# KiCad board panel_0.kicad_pcb (continued)
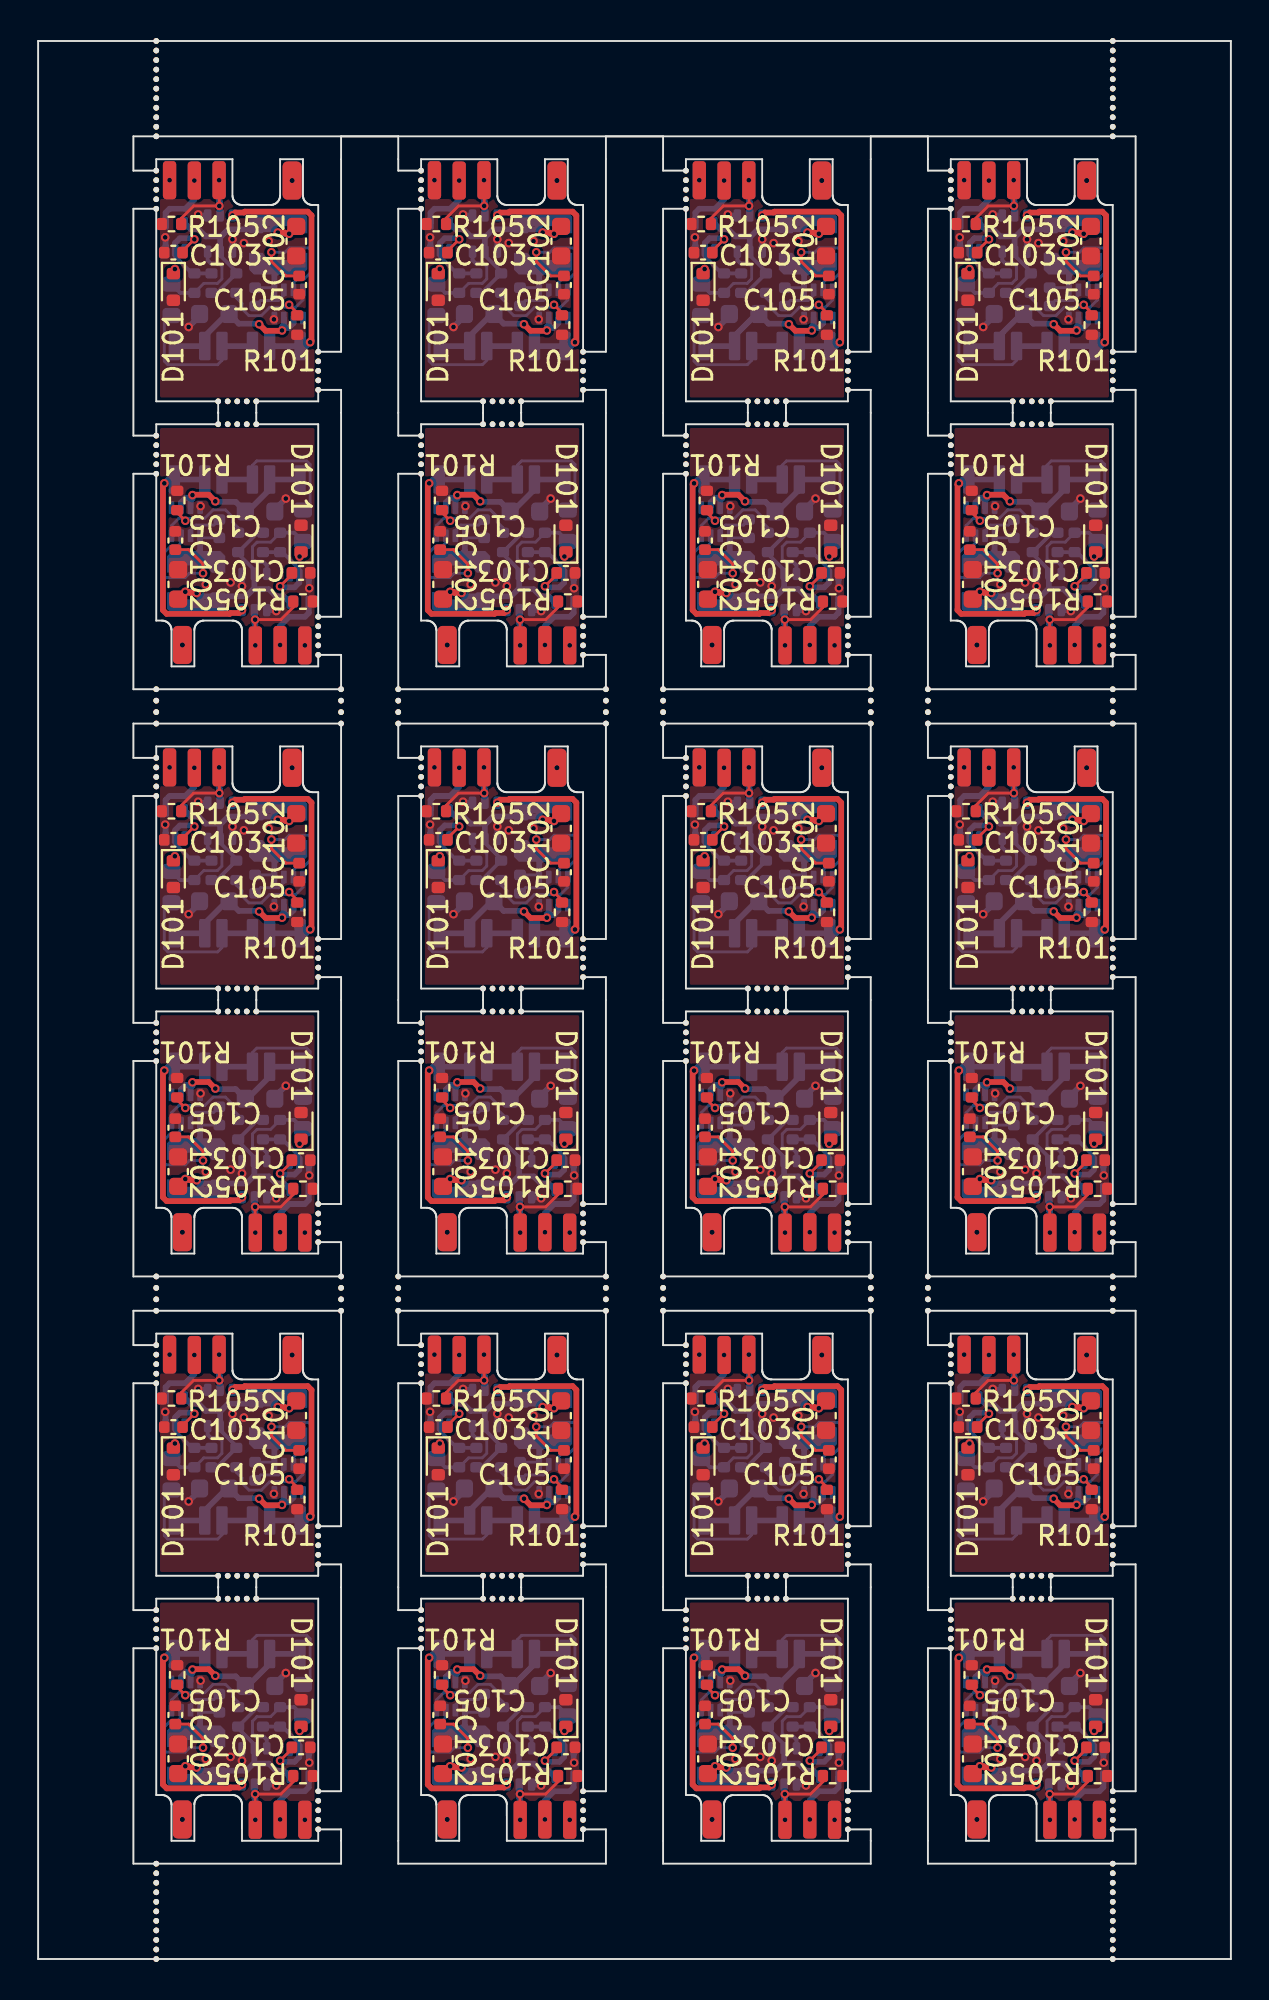
[diagram p0: board, top side]
## Placement (name value [footprint] x y rotation side) (continued)
R101#21  R_15K_0402_0W063_1%_100PPM_50V  [R_0402_1005Metric]  55.3 85.7 270 top
R101#22  R_15K_0402_0W063_1%_100PPM_50V  [R_0402_1005Metric]  49 14.9 90 top
R101#23  R_15K_0402_0W063_1%_100PPM_50V  [R_0402_1005Metric]  35.1 45.7 90 top
R101#24  R_15K_0402_0W063_1%_100PPM_50V  [R_0402_1005Metric]  41.4 85.7 270 top
R102  R_10K0_0402_0W063_1%_100PPM_50V  [R_0402_1005Metric]  22.1 87.9 90 bottom
R102#2  R_10K0_0402_0W063_1%_100PPM_50V  [R_0402_1005Metric]  12.7 12.7 270 bottom
R102#3  R_10K0_0402_0W063_1%_100PPM_50V  [R_0402_1005Metric]  8.2 26.3 90 bottom
R102#4  R_10K0_0402_0W063_1%_100PPM_50V  [R_0402_1005Metric]  54.4 74.3 270 bottom
R102#5  R_10K0_0402_0W063_1%_100PPM_50V  [R_0402_1005Metric]  22.1 57.1 90 bottom
R102#6  R_10K0_0402_0W063_1%_100PPM_50V  [R_0402_1005Metric]  12.7 43.5 270 bottom
R102#7  R_10K0_0402_0W063_1%_100PPM_50V  [R_0402_1005Metric]  54.4 12.7 270 bottom
R102#8  R_10K0_0402_0W063_1%_100PPM_50V  [R_0402_1005Metric]  26.6 74.3 270 bottom
R102#9  R_10K0_0402_0W063_1%_100PPM_50V  [R_0402_1005Metric]  40.5 12.7 270 bottom
R102#10  R_10K0_0402_0W063_1%_100PPM_50V  [R_0402_1005Metric]  36 57.1 90 bottom
R102#11  R_10K0_0402_0W063_1%_100PPM_50V  [R_0402_1005Metric]  8.2 57.1 90 bottom
R102#12  R_10K0_0402_0W063_1%_100PPM_50V  [R_0402_1005Metric]  49.9 87.9 90 bottom
R102#13  R_10K0_0402_0W063_1%_100PPM_50V  [R_0402_1005Metric]  8.2 87.9 90 bottom
R102#14  R_10K0_0402_0W063_1%_100PPM_50V  [R_0402_1005Metric]  54.4 43.5 270 bottom
R102#15  R_10K0_0402_0W063_1%_100PPM_50V  [R_0402_1005Metric]  22.1 26.3 90 bottom
R102#16  R_10K0_0402_0W063_1%_100PPM_50V  [R_0402_1005Metric]  26.6 12.7 270 bottom
R102#17  R_10K0_0402_0W063_1%_100PPM_50V  [R_0402_1005Metric]  49.9 57.1 90 bottom
R102#18  R_10K0_0402_0W063_1%_100PPM_50V  [R_0402_1005Metric]  12.7 74.3 270 bottom
R102#19  R_10K0_0402_0W063_1%_100PPM_50V  [R_0402_1005Metric]  40.5 43.5 270 bottom
R102#20  R_10K0_0402_0W063_1%_100PPM_50V  [R_0402_1005Metric]  49.9 26.3 90 bottom
R102#21  R_10K0_0402_0W063_1%_100PPM_50V  [R_0402_1005Metric]  40.5 74.3 270 bottom
R102#22  R_10K0_0402_0W063_1%_100PPM_50V  [R_0402_1005Metric]  36 87.9 90 bottom
R102#23  R_10K0_0402_0W063_1%_100PPM_50V  [R_0402_1005Metric]  26.6 43.5 270 bottom
R102#24  R_10K0_0402_0W063_1%_100PPM_50V  [R_0402_1005Metric]  36 26.3 90 bottom
R103  100R  [R_0603_1608Metric]  55.6 44.38 270 bottom
R103#2  100R  [R_0603_1608Metric]  7 56.22 90 bottom
R103#3  100R  [R_0603_1608Metric]  55.6 13.57 270 bottom
R103#4  100R  [R_0603_1608Metric]  13.9 44.38 270 bottom
R103#5  100R  [R_0603_1608Metric]  41.7 13.57 270 bottom
R103#6  100R  [R_0603_1608Metric]  27.8 13.57 270 bottom
R103#7  100R  [R_0603_1608Metric]  27.8 75.17 270 bottom
R103#8  100R  [R_0603_1608Metric]  13.9 75.17 270 bottom
R103#9  100R  [R_0603_1608Metric]  34.8 56.22 90 bottom
R103#10  100R  [R_0603_1608Metric]  7 25.42 90 bottom
R103#11  100R  [R_0603_1608Metric]  13.9 13.57 270 bottom
R103#12  100R  [R_0603_1608Metric]  41.7 44.38 270 bottom
R103#13  100R  [R_0603_1608Metric]  48.7 87.02 90 bottom
R103#14  100R  [R_0603_1608Metric]  34.8 87.02 90 bottom
R103#15  100R  [R_0603_1608Metric]  20.9 56.22 90 bottom
R103#16  100R  [R_0603_1608Metric]  48.7 56.22 90 bottom
R103#17  100R  [R_0603_1608Metric]  20.9 87.02 90 bottom
R103#18  100R  [R_0603_1608Metric]  41.7 75.17 270 bottom
R103#19  100R  [R_0603_1608Metric]  48.7 25.42 90 bottom
R103#20  100R  [R_0603_1608Metric]  20.9 25.42 90 bottom
R103#21  100R  [R_0603_1608Metric]  27.8 44.38 270 bottom
R103#22  100R  [R_0603_1608Metric]  7 87.02 90 bottom
R103#23  100R  [R_0603_1608Metric]  55.6 75.17 270 bottom
R103#24  100R  [R_0603_1608Metric]  34.8 25.42 90 bottom
R104  R_47K_0402_0W063_1%_100PPM_50V  [R_0402_1005Metric]  38.2 26.3 270 bottom
R104#2  R_47K_0402_0W063_1%_100PPM_50V  [R_0402_1005Metric]  24.4 43.5 90 bottom
R104#3  R_47K_0402_0W063_1%_100PPM_50V  [R_0402_1005Metric]  24.3 57.1 270 bottom
R104#4  R_47K_0402_0W063_1%_100PPM_50V  [R_0402_1005Metric]  10.5 74.3 90 bottom
R104#5  R_47K_0402_0W063_1%_100PPM_50V  [R_0402_1005Metric]  38.2 57.1 270 bottom
R104#6  R_47K_0402_0W063_1%_100PPM_50V  [R_0402_1005Metric]  52.1 26.3 270 bottom
R104#7  R_47K_0402_0W063_1%_100PPM_50V  [R_0402_1005Metric]  10.4 26.3 270 bottom
R104#8  R_47K_0402_0W063_1%_100PPM_50V  [R_0402_1005Metric]  38.3 12.7 90 bottom
R104#9  R_47K_0402_0W063_1%_100PPM_50V  [R_0402_1005Metric]  38.2 87.9 270 bottom
R104#10  R_47K_0402_0W063_1%_100PPM_50V  [R_0402_1005Metric]  52.2 74.3 90 bottom
R104#11  R_47K_0402_0W063_1%_100PPM_50V  [R_0402_1005Metric]  10.4 57.1 270 bottom
R104#12  R_47K_0402_0W063_1%_100PPM_50V  [R_0402_1005Metric]  52.2 12.7 90 bottom
R104#13  R_47K_0402_0W063_1%_100PPM_50V  [R_0402_1005Metric]  24.4 12.7 90 bottom
R104#14  R_47K_0402_0W063_1%_100PPM_50V  [R_0402_1005Metric]  52.1 87.9 270 bottom
R104#15  R_47K_0402_0W063_1%_100PPM_50V  [R_0402_1005Metric]  24.4 74.3 90 bottom
R104#16  R_47K_0402_0W063_1%_100PPM_50V  [R_0402_1005Metric]  10.4 87.9 270 bottom
R104#17  R_47K_0402_0W063_1%_100PPM_50V  [R_0402_1005Metric]  52.1 57.1 270 bottom
R104#18  R_47K_0402_0W063_1%_100PPM_50V  [R_0402_1005Metric]  38.3 74.3 90 bottom
R104#19  R_47K_0402_0W063_1%_100PPM_50V  [R_0402_1005Metric]  24.3 26.3 270 bottom
R104#20  R_47K_0402_0W063_1%_100PPM_50V  [R_0402_1005Metric]  38.3 43.5 90 bottom
R104#21  R_47K_0402_0W063_1%_100PPM_50V  [R_0402_1005Metric]  10.5 43.5 90 bottom
R104#22  R_47K_0402_0W063_1%_100PPM_50V  [R_0402_1005Metric]  24.3 87.9 270 bottom
R104#23  R_47K_0402_0W063_1%_100PPM_50V  [R_0402_1005Metric]  10.5 12.7 90 bottom
R104#24  R_47K_0402_0W063_1%_100PPM_50V  [R_0402_1005Metric]  52.2 43.5 90 bottom
R105  R_47K_0402_0W063_1%_100PPM_50V  [R_0402_1005Metric]  34.8 91 180 top
R105#2  R_47K_0402_0W063_1%_100PPM_50V  [R_0402_1005Metric]  34.8 29.4 180 top
R105#3  R_47K_0402_0W063_1%_100PPM_50V  [R_0402_1005Metric]  34.8 60.2 180 top
R105#4  R_47K_0402_0W063_1%_100PPM_50V  [R_0402_1005Metric]  27.8 9.6 0 top
R105#5  R_47K_0402_0W063_1%_100PPM_50V  [R_0402_1005Metric]  13.9 71.2 0 top
R105#6  R_47K_0402_0W063_1%_100PPM_50V  [R_0402_1005Metric]  55.6 9.6 0 top
R105#7  R_47K_0402_0W063_1%_100PPM_50V  [R_0402_1005Metric]  55.6 40.4 0 top
R105#8  R_47K_0402_0W063_1%_100PPM_50V  [R_0402_1005Metric]  27.8 40.4 0 top
R105#9  R_47K_0402_0W063_1%_100PPM_50V  [R_0402_1005Metric]  7 91 180 top
R105#10  R_47K_0402_0W063_1%_100PPM_50V  [R_0402_1005Metric]  41.7 40.4 0 top
R105#11  R_47K_0402_0W063_1%_100PPM_50V  [R_0402_1005Metric]  7 60.2 180 top
R105#12  R_47K_0402_0W063_1%_100PPM_50V  [R_0402_1005Metric]  7 29.4 180 top
R105#13  R_47K_0402_0W063_1%_100PPM_50V  [R_0402_1005Metric]  48.7 29.4 180 top
R105#14  R_47K_0402_0W063_1%_100PPM_50V  [R_0402_1005Metric]  13.9 40.4 0 top
R105#15  R_47K_0402_0W063_1%_100PPM_50V  [R_0402_1005Metric]  41.7 71.2 0 top
R105#16  R_47K_0402_0W063_1%_100PPM_50V  [R_0402_1005Metric]  48.7 91 180 top
R105#17  R_47K_0402_0W063_1%_100PPM_50V  [R_0402_1005Metric]  20.9 60.2 180 top
R105#18  R_47K_0402_0W063_1%_100PPM_50V  [R_0402_1005Metric]  13.9 9.6 0 top
R105#19  R_47K_0402_0W063_1%_100PPM_50V  [R_0402_1005Metric]  20.9 91 180 top
R105#20  R_47K_0402_0W063_1%_100PPM_50V  [R_0402_1005Metric]  41.7 9.6 0 top
R105#21  R_47K_0402_0W063_1%_100PPM_50V  [R_0402_1005Metric]  55.6 71.2 0 top
R105#22  R_47K_0402_0W063_1%_100PPM_50V  [R_0402_1005Metric]  27.8 71.2 0 top
R105#23  R_47K_0402_0W063_1%_100PPM_50V  [R_0402_1005Metric]  48.7 60.2 180 top
R105#24  R_47K_0402_0W063_1%_100PPM_50V  [R_0402_1005Metric]  20.9 29.4 180 top
R106  R_47K_0402_0W063_1%_100PPM_50V  [R_0402_1005Metric]  36.9 87.9 90 bottom
R106#2  R_47K_0402_0W063_1%_100PPM_50V  [R_0402_1005Metric]  39.6 74.3 270 bottom
R106#3  R_47K_0402_0W063_1%_100PPM_50V  [R_0402_1005Metric]  25.7 74.3 270 bottom
R106#4  R_47K_0402_0W063_1%_100PPM_50V  [R_0402_1005Metric]  36.9 26.3 90 bottom
R106#5  R_47K_0402_0W063_1%_100PPM_50V  [R_0402_1005Metric]  50.8 87.9 90 bottom
R106#6  R_47K_0402_0W063_1%_100PPM_50V  [R_0402_1005Metric]  9.1 57.1 90 bottom
R106#7  R_47K_0402_0W063_1%_100PPM_50V  [R_0402_1005Metric]  11.8 43.5 270 bottom
R106#8  R_47K_0402_0W063_1%_100PPM_50V  [R_0402_1005Metric]  25.7 12.7 270 bottom
R106#9  R_47K_0402_0W063_1%_100PPM_50V  [R_0402_1005Metric]  50.8 26.3 90 bottom
R106#10  R_47K_0402_0W063_1%_100PPM_50V  [R_0402_1005Metric]  39.6 43.5 270 bottom
R106#11  R_47K_0402_0W063_1%_100PPM_50V  [R_0402_1005Metric]  39.6 12.7 270 bottom
R106#12  R_47K_0402_0W063_1%_100PPM_50V  [R_0402_1005Metric]  9.1 87.9 90 bottom
R106#13  R_47K_0402_0W063_1%_100PPM_50V  [R_0402_1005Metric]  36.9 57.1 90 bottom
R106#14  R_47K_0402_0W063_1%_100PPM_50V  [R_0402_1005Metric]  9.1 26.3 90 bottom
R106#15  R_47K_0402_0W063_1%_100PPM_50V  [R_0402_1005Metric]  23 57.1 90 bottom
R106#16  R_47K_0402_0W063_1%_100PPM_50V  [R_0402_1005Metric]  23 87.9 90 bottom
R106#17  R_47K_0402_0W063_1%_100PPM_50V  [R_0402_1005Metric]  11.8 12.7 270 bottom
R106#18  R_47K_0402_0W063_1%_100PPM_50V  [R_0402_1005Metric]  53.5 43.5 270 bottom
R106#19  R_47K_0402_0W063_1%_100PPM_50V  [R_0402_1005Metric]  23 26.3 90 bottom
R106#20  R_47K_0402_0W063_1%_100PPM_50V  [R_0402_1005Metric]  53.5 74.3 270 bottom
R106#21  R_47K_0402_0W063_1%_100PPM_50V  [R_0402_1005Metric]  50.8 57.1 90 bottom
R106#22  R_47K_0402_0W063_1%_100PPM_50V  [R_0402_1005Metric]  25.7 43.5 270 bottom
R106#23  R_47K_0402_0W063_1%_100PPM_50V  [R_0402_1005Metric]  53.5 12.7 270 bottom
R106#24  R_47K_0402_0W063_1%_100PPM_50V  [R_0402_1005Metric]  11.8 74.3 270 bottom
U102  SN74LVC1G14DRL  [SOT-553]  55.41 10.27 270 bottom
U102#2  SN74LVC1G14DRL  [SOT-553]  41.51 71.87 270 bottom
U102#3  SN74LVC1G14DRL  [SOT-553]  13.71 41.07 270 bottom
U102#4  SN74LVC1G14DRL  [SOT-553]  48.89 59.53 90 bottom
U102#5  SN74LVC1G14DRL  [SOT-553]  13.71 71.87 270 bottom
U102#6  SN74LVC1G14DRL  [SOT-553]  13.71 10.27 270 bottom
U102#7  SN74LVC1G14DRL  [SOT-553]  41.51 41.07 270 bottom
U102#8  SN74LVC1G14DRL  [SOT-553]  7.19 90.33 90 bottom
U102#9  SN74LVC1G14DRL  [SOT-553]  27.61 71.87 270 bottom
U102#10  SN74LVC1G14DRL  [SOT-553]  48.89 90.33 90 bottom
U102#11  SN74LVC1G14DRL  [SOT-553]  34.99 59.53 90 bottom
U102#12  SN74LVC1G14DRL  [SOT-553]  55.41 41.07 270 bottom
U102#13  SN74LVC1G14DRL  [SOT-553]  27.61 10.27 270 bottom
U102#14  SN74LVC1G14DRL  [SOT-553]  21.09 59.53 90 bottom
U102#15  SN74LVC1G14DRL  [SOT-553]  55.41 71.87 270 bottom
U102#16  SN74LVC1G14DRL  [SOT-553]  21.09 28.73 90 bottom
U102#17  SN74LVC1G14DRL  [SOT-553]  27.61 41.07 270 bottom
U102#18  SN74LVC1G14DRL  [SOT-553]  41.51 10.27 270 bottom
U102#19  SN74LVC1G14DRL  [SOT-553]  48.89 28.73 90 bottom
U102#20  SN74LVC1G14DRL  [SOT-553]  7.19 59.53 90 bottom
U102#21  SN74LVC1G14DRL  [SOT-553]  34.99 28.73 90 bottom
U102#22  SN74LVC1G14DRL  [SOT-553]  7.19 28.73 90 bottom
U102#23  SN74LVC1G14DRL  [SOT-553]  21.09 90.33 90 bottom
U102#24  SN74LVC1G14DRL  [SOT-553]  34.99 90.33 90 bottom
U103  TPS62933DRLR  [SOT-583-8]  21.65 44.59 270 bottom
U103#2  TPS62933DRLR  [SOT-583-8]  7.75 13.79 270 bottom
U103#3  TPS62933DRLR  [SOT-583-8]  49.45 13.79 270 bottom
U103#4  TPS62933DRLR  [SOT-583-8]  27.05 86.81 90 bottom
U103#5  TPS62933DRLR  [SOT-583-8]  21.65 75.39 270 bottom
U103#6  TPS62933DRLR  [SOT-583-8]  54.85 86.81 90 bottom
U103#7  TPS62933DRLR  [SOT-583-8]  27.05 25.21 90 bottom
U103#8  TPS62933DRLR  [SOT-583-8]  13.15 56.01 90 bottom
U103#9  TPS62933DRLR  [SOT-583-8]  35.55 44.59 270 bottom
U103#10  TPS62933DRLR  [SOT-583-8]  54.85 56.01 90 bottom
U103#11  TPS62933DRLR  [SOT-583-8]  40.95 56.01 90 bottom
U103#12  TPS62933DRLR  [SOT-583-8]  7.75 44.59 270 bottom
U103#13  TPS62933DRLR  [SOT-583-8]  27.05 56.01 90 bottom
U103#14  TPS62933DRLR  [SOT-583-8]  54.85 25.21 90 bottom
U103#15  TPS62933DRLR  [SOT-583-8]  35.55 75.39 270 bottom
U103#16  TPS62933DRLR  [SOT-583-8]  49.45 75.39 270 bottom
U103#17  TPS62933DRLR  [SOT-583-8]  13.15 86.81 90 bottom
U103#18  TPS62933DRLR  [SOT-583-8]  21.65 13.79 270 bottom
U103#19  TPS62933DRLR  [SOT-583-8]  13.15 25.21 90 bottom
U103#20  TPS62933DRLR  [SOT-583-8]  35.55 13.79 270 bottom
U103#21  TPS62933DRLR  [SOT-583-8]  40.95 25.21 90 bottom
U103#22  TPS62933DRLR  [SOT-583-8]  7.75 75.39 270 bottom
U103#23  TPS62933DRLR  [SOT-583-8]  49.45 44.59 270 bottom
U103#24  TPS62933DRLR  [SOT-583-8]  40.95 86.81 90 bottom

## Library data of the parts
C101 C101#2-C101#24 = -: Description: Unpolarized capacitor; OC_JLCPCB: C15849
C102 C102#2-C102#24 = -: Description: Unpolarized capacitor; OC_JLCPCB: C19702
C103 C103#2-C103#24 = -: Description: Capacitor xxxE 0000 XXXX 00% 000V; Capacitance: 15p; Case: 0402; Dielectric: NP0; Tolerance: 5%; Voltage: 50V; ID: 50000069; TARGET_LIB: 900_capacitors; SRC_LIB: /home/markus/projekte/900_library/kicad/generator_v2/capacitors_template.kicad_sym; SRC_PART: C_xxxE_0000_XXXX_00%_000V; kicadlibid: 69; MC_Generic: GRT1555C1H150FA2D; OC_MOUSER: 81-GRT1555C1H150FA2D; OC_JLCPCB: C1548
C104 C104#2-C104#24 C105 C105#2-C105#24 = -: Description: Capacitor xxxE 0000 XXXX 00% 000V; Capacitance: 100n; Case: 0402; Dielectric: X7R; Tolerance: 10%; Voltage: 50V; ID: 50000068; TARGET_LIB: 900_capacitors; SRC_LIB: /home/markus/projekte/900_library/kicad/generator_v2/capacitors_template.kicad_sym; SRC_PART: C_xxxE_0000_XXXX_00%_000V; kicadlibid: 68; MC_Generic: GRM155R71H104KE4J; OC_MOUSER: 81-GRM155R71H104KE4J; OC_JLCPCB: C307331
D101 D101#2-D101#24 = -: Datasheet: https://www.onsemi.com/pdf/datasheet/esd5z2.5t1-d.pdf; Description: ESD Protection Diode, SOD-523; OC_JLCPCB: C3008120
H101 H101#2-H101#24 H102 H102#2-H102#24 H103 H103#2-H103#24 = -: Description: Mounting Hole with connection; OC_JLCPCB: C5334114
H104 H104#2-H104#24 H105 H105#2-H105#24 H106 H106#2-H106#24 H107 H107#2-H107#24 H108 H108#2-H108#24 H109 H109#2-H109#24 H110 H110#2-H110#24 H111 H111#2-H111#24 = -: Description: Mounting Hole with connection
L101 L101#2-L101#24 = -: Description: Inductor; OC_JLCPCB: C5832372
Q102 Q102#2-Q102#24 = -: Datasheet: https://jlcpcb.com/api/file/downloadByFileSystemAccessId/8609108054277169152; Description: 1.2A Id, 20V Vds, Dual N-Channel MOSFET, 175mOhm Ron, SC-70-6; OC_JLCPCB: C693215
R101 R101#2-R101#24 = -: Description: Resistor 000R 0000 0W00 0% 000pm 000V; Resistance: 15K; Case: 0402; Power: 0W063; Tolerance: 1%; TempKoeff: 100PPM; Voltage: 50V; ID: 50000013; TARGET_LIB: 900_resistors; SRC_LIB: /home/markus/projekte/900_library/kicad/generator_v2/resistors_template.kicad_sym; SRC_PART: R_000R_0000_0W00_0%_000pm_000V; kicadlibid: 13; MC_Generic: RC0402FR-0715KL; OC_MOUSER: 603-RC0402FR-0715KL; OC_JLCPCB: C25756
R102 R102#2-R102#24 = -: Description: Resistor 000R 0000 0W00 0% 000pm 000V; Resistance: 10K0; Case: 0402; Power: 0W063; Tolerance: 1%; TempKoeff: 100PPM; Voltage: 50V; ID: 50000005; TARGET_LIB: 900_resistors; SRC_LIB: /home/markus/projekte/900_library/kicad/generator_v2/resistors_template.kicad_sym; SRC_PART: R_000R_0000_0W00_0%_000pm_000V; kicadlibid: 5; MC_Generic: RC0402FR-0710KL; OC_MOUSER: 603-RC0402FR-0710KL; OC_JLCPCB: C25744
R103 R103#2-R103#24 = -: Description: Resistor; OC_JLCPCB: C22775
R104 R104#2-R104#24 R105 R105#2-R105#24 R106 R106#2-R106#24 = -: Description: Resistor 000R 0000 0W00 0% 000pm 000V; Resistance: 47K; Case: 0402; Power: 0W063; Tolerance: 1%; TempKoeff: 100PPM; Voltage: 50V; ID: 50000047; TARGET_LIB: 900_resistors; SRC_LIB: /home/markus/projekte/900_library/kicad/generator_v2/resistors_template.kicad_sym; SRC_PART: R_000R_0000_0W00_0%_000pm_000V; kicadlibid: 47; MC_Generic: RC0402FR-0747KL; OC_MOUSER: 603-RC0402FR-0747KL; OC_JLCPCB: C25792
U102 U102#2-U102#24 = -: Datasheet: https://www.ti.com/lit/ds/symlink/sn74lvc1g14.pdf; Description: Single Schmitt NOT Gate, Low-Voltage CMOS, SOT-553; OC_JLCPCB: C19829622
U103 U103#2-U103#24 = -: Datasheet: https://www.ti.com/lit/ds/symlink/tps62933.pdf; Description: 3.8-30V, 3A Synchronous Buck Converters with forced continuous conduction mode (FCCM), SOT583-8; OC_JLCPCB: C3200405

## Footprints (pads in the part's own frame, mm; a bottom-side part is the same pattern mirrored in y, then rotated)
C_0402_1005Metric
  rrect 0.56x0.62 smd: 1(-0.48,0) 2(0.48,0)
C_0603_1608Metric
  rrect 0.9x0.95 smd: 1(-0.775,0) 2(0.775,0)
D_SOD-523
  rrect 0.6x0.7 smd: 1(-0.7,0) 2(0.7,0)
L_Coilcraft_LPS3010
  custom 1.14x3.05 smd: 1(-1.27,0) 2(1.27,0)
NPTH
  round 0.3 hole 0.3 unplated: (0,0)
R_0402_1005Metric
  rrect 0.54x0.64 smd: 1(-0.51,0) 2(0.51,0)
R_0603_1608Metric
  rrect 0.8x0.95 smd: 1(-0.825,0) 2(0.825,0)
SolderWirePad_1x01_SMD_1.5x3mm
  rrect 0.7x2 smd: 1(0,0)
SolderWirePad_1x01_SMD_1.5x3mm#2
  rrect 1x2 smd: 1(0,0)
SOT-363_SC-70-6
  rrect 0.65x0.4 smd: 1(-0.95,0.65) 2(-0.95,0) 3(-0.95,-0.65) 4(0.95,-0.65) 5(0.95,0) 6(0.95,0.65)
SOT-553
  rrect 0.675x0.35 smd: 1(-0.713,0.5) 2(-0.713,0) 3(-0.713,-0.5) 4(0.713,-0.5) 5(0.713,0.5)
SOT-583-8
  rrect 0.67x0.3 smd: 1(-0.74,0.75) 2(-0.74,0.25) 3(-0.74,-0.25) 4(-0.74,-0.75) 5(0.74,-0.75) 6(0.74,-0.25) 7(0.74,0.25) 8(0.74,0.75)
TE_2040852-1
  rrect 1.5x0.6 smd: 1(0.95,-0.8) 1(0.95,0.8)

## Nets
Board_0-+3V3: C102#16.1 H106#8.1 H108#8.1 L101#16.2 Q102#5.2 R104#16.1 R106#12.1 U102#8.5
Board_0-/BST: C104#11.1 U103#17.6
Board_0-/DBUS: H102#3.1 R103#22.1
Board_0-/DBUS_R: D101#23.1 Q102#5.3 R102#13.1 R103#22.2
Board_0-/FB: R101#10.1 R104#16.2 U103#17.8
Board_0-/IN: C103#16.1 R102#13.2 R106#12.2 U102#8.2
Board_0-/IO4: H104#8.1 H110#10.1 Q102#5.5 R105#9.1
Board_0-/IO5: H105#6.1 H109#21.1 U102#8.4
Board_0-/SW: C104#11.2 L101#16.1 U103#17.5
Board_0-/V+: C101#12.1 H101#8.1 U103#17.2 U103#17.3
Board_0-/V-: H103#22.1 Q102#5.6
Board_0-GND: C101#12.2 C102#16.2 C103#16.2 C105#18.2 D101#23.2 H107#18.1 H111#7.1 Q102#5.1 Q102#5.4 R101#10.2 R105#9.2 U102#8.3 U103#17.4
Board_0-Net-(U103-SS): C105#18.1 U103#17.7
Board_0-unconnected-(U102-NC-Pad1): U102#8.1
Board_0-unconnected-(U103-RT-Pad1): U103#17.1
Board_1-+3V3: C102#12.1 H106#20.1 H108#19.1 L101#19.2 Q102#24.2 R104#22.1 R106#16.1 U102#23.5
Board_1-/BST: C104#15.1 U103#4.6
Board_1-/DBUS: H102#17.1 R103#17.1
Board_1-/DBUS_R: D101#19.1 Q102#24.3 R102.1 R103#17.2
Board_1-/FB: R101#13.1 R104#22.2 U103#4.8
Board_1-/IN: C103#4.1 R102.2 R106#16.2 U102#23.2
Board_1-/IO4: H104#20.1 H110#6.1 Q102#24.5 R105#19.1
Board_1-/IO5: H105#8.1 H109#7.1 U102#23.4
Board_1-/SW: C104#15.2 L101#19.1 U103#4.5
Board_1-/V+: C101#11.1 H101#20.1 U103#4.2 U103#4.3
Board_1-/V-: H103#21.1 Q102#24.6
Board_1-GND: C101#11.2 C102#12.2 C103#4.2 C105#4.2 D101#19.2 H107#19.1 H111#6.1 Q102#24.1 Q102#24.4 R101#13.2 R105#19.2 U102#23.3 U103#4.4
Board_1-Net-(U103-SS): C105#4.1 U103#4.7
Board_1-unconnected-(U102-NC-Pad1): U102#23.1
Board_1-unconnected-(U103-RT-Pad1): U103#4.1
Board_2-+3V3: C102#10.1 H106#10.1 H108#24.1 L101#11.2 Q102#10.2 R104#9.1 R106.1 U102#24.5
Board_2-/BST: C104#9.1 U103#24.6
Board_2-/DBUS: H102#22.1 R103#14.1
Board_2-/DBUS_R: D101#3.1 Q102#10.3 R102#22.1 R103#14.2
Board_2-/FB: R101#24.1 R104#9.2 U103#24.8
Board_2-/IN: C103#21.1 R102#22.2 R106.2 U102#24.2
Board_2-/IO4: H104#6.1 H110#22.1 Q102#10.5 R105.1
Board_2-/IO5: H105#15.1 H109#13.1 U102#24.4
Board_2-/SW: C104#9.2 L101#11.1 U103#24.5
Board_2-/V+: C101#9.1 H101.1 U103#24.2 U103#24.3
Board_2-/V-: H103#10.1 Q102#10.6
Board_2-GND: C101#9.2 C102#10.2 C103#21.2 C105#19.2 D101#3.2 H107#8.1 H111#18.1 Q102#10.1 Q102#10.4 R101#24.2 R105.2 U102#24.3 U103#24.4
Board_2-Net-(U103-SS): C105#19.1 U103#24.7
Board_2-unconnected-(U102-NC-Pad1): U102#24.1
Board_2-unconnected-(U103-RT-Pad1): U103#24.1
Board_3-+3V3: C102#21.1 H106#18.1 H108#12.1 L101#13.2 Q102#8.2 R104#14.1 R106#5.1 U102#10.5
Board_3-/BST: C104#24.1 U103#6.6
Board_3-/DBUS: H102#8.1 R103#13.1
Board_3-/DBUS_R: D101.1 Q102#8.3 R102#12.1 R103#13.2
Board_3-/FB: R101#21.1 R104#14.2 U103#6.8
Board_3-/IN: C103#18.1 R102#12.2 R106#5.2 U102#10.2
Board_3-/IO4: H104#23.1 H110#8.1 Q102#8.5 R105#16.1
Board_3-/IO5: H105#10.1 H109#3.1 U102#10.4
Board_3-/SW: C104#24.2 L101#13.1 U103#6.5
Board_3-/V+: C101#4.1 H101#14.1 U103#6.2 U103#6.3
Board_3-/V-: H103#24.1 Q102#8.6
Board_3-GND: C101#4.2 C102#21.2 C103#18.2 C105.2 D101.2 H107.1 H111#24.1 Q102#8.1 Q102#8.4 R101#21.2 R105#16.2 U102#10.3 U103#6.4
Board_3-Net-(U103-SS): C105.1 U103#6.7
Board_3-unconnected-(U102-NC-Pad1): U102#10.1
Board_3-unconnected-(U103-RT-Pad1): U103#6.1
Board_4-+3V3: C102#5.1 H106#16.1 H108#4.1 L101#22.2 Q102#17.2 R104#4.1 R106#24.1 U102#5.5
Board_4-/BST: C104#3.1 U103#22.6
Board_4-/DBUS: H102#15.1 R103#8.1
Board_4-/DBUS_R: D101#22.1 Q102#17.3 R102#18.1 R103#8.2
Board_4-/FB: R101#2.1 R104#4.2 U103#22.8
Board_4-/IN: C103#11.1 R102#18.2 R106#24.2 U102#5.2
Board_4-/IO4: H104#10.1 H110#23.1 Q102#17.5 R105#5.1
Board_4-/IO5: H105#12.1 H109#15.1 U102#5.4
Board_4-/SW: C104#3.2 L101#22.1 U103#22.5
Board_4-/V+: C101#8.1 H101#9.1 U103#22.2 U103#22.3
Board_4-/V-: H103.1 Q102#17.6
Board_4-GND: C101#8.2 C102#5.2 C103#11.2 C105#11.2 D101#22.2 H107#10.1 H111#3.1 Q102#17.1 Q102#17.4 R101#2.2 R105#5.2 U102#5.3 U103#22.4
Board_4-Net-(U103-SS): C105#11.1 U103#22.7
Board_4-unconnected-(U102-NC-Pad1): U102#5.1
Board_4-unconnected-(U103-RT-Pad1): U103#22.1
Board_5-+3V3: C102#22.1 H106.1 H108#10.1 L101#15.2 Q102#7.2 R104#15.1 R106#3.1 U102#9.5
Board_5-/BST: C104#17.1 U103#5.6
Board_5-/DBUS: H102#19.1 R103#7.1
Board_5-/DBUS_R: D101#20.1 Q102#7.3 R102#8.1 R103#7.2
Board_5-/FB: R101#9.1 R104#15.2 U103#5.8
Board_5-/IN: C103#17.1 R102#8.2 R106#3.2 U102#9.2
Board_5-/IO4: H104#24.1 H110#5.1 Q102#7.5 R105#22.1
Board_5-/IO5: H105#19.1 H109#6.1 U102#9.4
Board_5-/SW: C104#17.2 L101#15.1 U103#5.5
Board_5-/V+: C101#19.1 H101#24.1 U103#5.2 U103#5.3
Board_5-/V-: H103#7.1 Q102#7.6
Board_5-GND: C101#19.2 C102#22.2 C103#17.2 C105#3.2 D101#20.2 H107#22.1 H111#4.1 Q102#7.1 Q102#7.4 R101#9.2 R105#22.2 U102#9.3 U103#5.4
Board_5-Net-(U103-SS): C105#3.1 U103#5.7
Board_5-unconnected-(U102-NC-Pad1): U102#9.1
Board_5-unconnected-(U103-RT-Pad1): U103#5.1
Board_6-+3V3: C102#6.1 H106#23.1 H108#11.1 L101#24.2 Q102#2.2 R104#18.1 R106#2.1 U102#2.5
Board_6-/BST: C104#18.1 U103#15.6
Board_6-/DBUS: H102#14.1 R103#18.1
Board_6-/DBUS_R: D101#4.1 Q102#2.3 R102#21.1 R103#18.2
Board_6-/FB: R101#7.1 R104#18.2 U103#15.8
Board_6-/IN: C103#12.1 R102#21.2 R106#2.2 U102#2.2
Board_6-/IO4: H104.1 H110#3.1 Q102#2.5 R105#15.1
Board_6-/IO5: H105#4.1 H109#10.1 U102#2.4
Board_6-/SW: C104#18.2 L101#24.1 U103#15.5
Board_6-/V+: C101#3.1 H101#15.1 U103#15.2 U103#15.3
Board_6-/V-: H103#2.1 Q102#2.6
Board_6-GND: C101#3.2 C102#6.2 C103#12.2 C105#12.2 D101#4.2 H107#4.1 H111#8.1 Q102#2.1 Q102#2.4 R101#7.2 R105#15.2 U102#2.3 U103#15.4
Board_6-Net-(U103-SS): C105#12.1 U103#15.7
Board_6-unconnected-(U102-NC-Pad1): U102#2.1
Board_6-unconnected-(U103-RT-Pad1): U103#15.1
Board_7-+3V3: C102#18.1 H106#19.1 H108#6.1 L101#4.2 Q102#4.2 R104#10.1 R106#20.1 U102#15.5
Board_7-/BST: C104#19.1 U103#16.6
Board_7-/DBUS: H102#16.1 R103#23.1
Board_7-/DBUS_R: D101#24.1 Q102#4.3 R102#4.1 R103#23.2
Board_7-/FB: R101#6.1 R104#10.2 U103#16.8
Board_7-/IN: C103#5.1 R102#4.2 R106#20.2 U102#15.2
Board_7-/IO4: H104#22.1 H110#17.1 Q102#4.5 R105#21.1
Board_7-/IO5: H105#13.1 H109#20.1 U102#15.4
Board_7-/SW: C104#19.2 L101#4.1 U103#16.5
Board_7-/V+: C101#20.1 H101#13.1 U103#16.2 U103#16.3
Board_7-/V-: H103#4.1 Q102#4.6
Board_7-GND: C101#20.2 C102#18.2 C103#5.2 C105#23.2 D101#24.2 H107#21.1 H111#15.1 Q102#4.1 Q102#4.4 R101#6.2 R105#21.2 U102#15.3 U103#16.4
Board_7-Net-(U103-SS): C105#23.1 U103#16.7
Board_7-unconnected-(U102-NC-Pad1): U102#15.1
Board_7-unconnected-(U103-RT-Pad1): U103#16.1
Board_8-+3V3: C102#13.1 H106#3.1 H108#7.1 L101#20.2 Q102#12.2 R104#11.1 R106#6.1 U102#20.5
Board_8-/BST: C104#12.1 U103#8.6
Board_8-/DBUS: H102#20.1 R103#2.1
Board_8-/DBUS_R: D101#8.1 Q102#12.3 R102#11.1 R103#2.2
Board_8-/FB: R101#15.1 R104#11.2 U103#8.8
Board_8-/IN: C103#15.1 R102#11.2 R106#6.2 U102#20.2
Board_8-/IO4: H104#7.1 H110#15.1 Q102#12.5 R105#11.1
Board_8-/IO5: H105#23.1 H109#23.1 U102#20.4
Board_8-/SW: C104#12.2 L101#20.1 U103#8.5
Board_8-/V+: C101#10.1 H101#4.1 U103#8.2 U103#8.3
Board_8-/V-: H103#3.1 Q102#12.6
Board_8-GND: C101#10.2 C102#13.2 C103#15.2 C105#6.2 D101#8.2 H107#15.1 H111#13.1 Q102#12.1 Q102#12.4 R101#15.2 R105#11.2 U102#20.3 U103#8.4
Board_8-Net-(U103-SS): C105#6.1 U103#8.7
Board_8-unconnected-(U102-NC-Pad1): U102#20.1
Board_8-unconnected-(U103-RT-Pad1): U103#8.1
Board_9-+3V3: C102#19.1 H106#15.1 H108#21.1 L101#6.2 Q102#23.2 R104#3.1 R106#15.1 U102#14.5
Board_9-/BST: C104#23.1 U103#13.6
Board_9-/DBUS: H102#24.1 R103#15.1
Board_9-/DBUS_R: D101#6.1 Q102#23.3 R102#5.1 R103#15.2
Board_9-/FB: R101#5.1 R104#3.2 U103#13.8
Board_9-/IN: C103#19.1 R102#5.2 R106#15.2 U102#14.2
Board_9-/IO4: H104#5.1 H110#11.1 Q102#23.5 R105#17.1
Board_9-/IO5: H105#18.1 H109.1 U102#14.4
Board_9-/SW: C104#23.2 L101#6.1 U103#13.5
Board_9-/V+: C101.1 H101#2.1 U103#13.2 U103#13.3
Board_9-/V-: H103#12.1 Q102#23.6
Board_9-GND: C101.2 C102#19.2 C103#19.2 C105#5.2 D101#6.2 H107#12.1 H111#23.1 Q102#23.1 Q102#23.4 R101#5.2 R105#17.2 U102#14.3 U103#13.4
Board_9-Net-(U103-SS): C105#5.1 U103#13.7
Board_9-unconnected-(U102-NC-Pad1): U102#14.1
Board_9-unconnected-(U103-RT-Pad1): U103#13.1
Board_10-+3V3: C102#24.1 H106#24.1 H108#18.1 L101#21.2 Q102#16.2 R104#5.1 R106#13.1 U102#11.5
Board_10-/BST: C104#13.1 U103#11.6
Board_10-/DBUS: H102#2.1 R103#9.1